# KiCad board delta48m.kicad_pcb (continued)
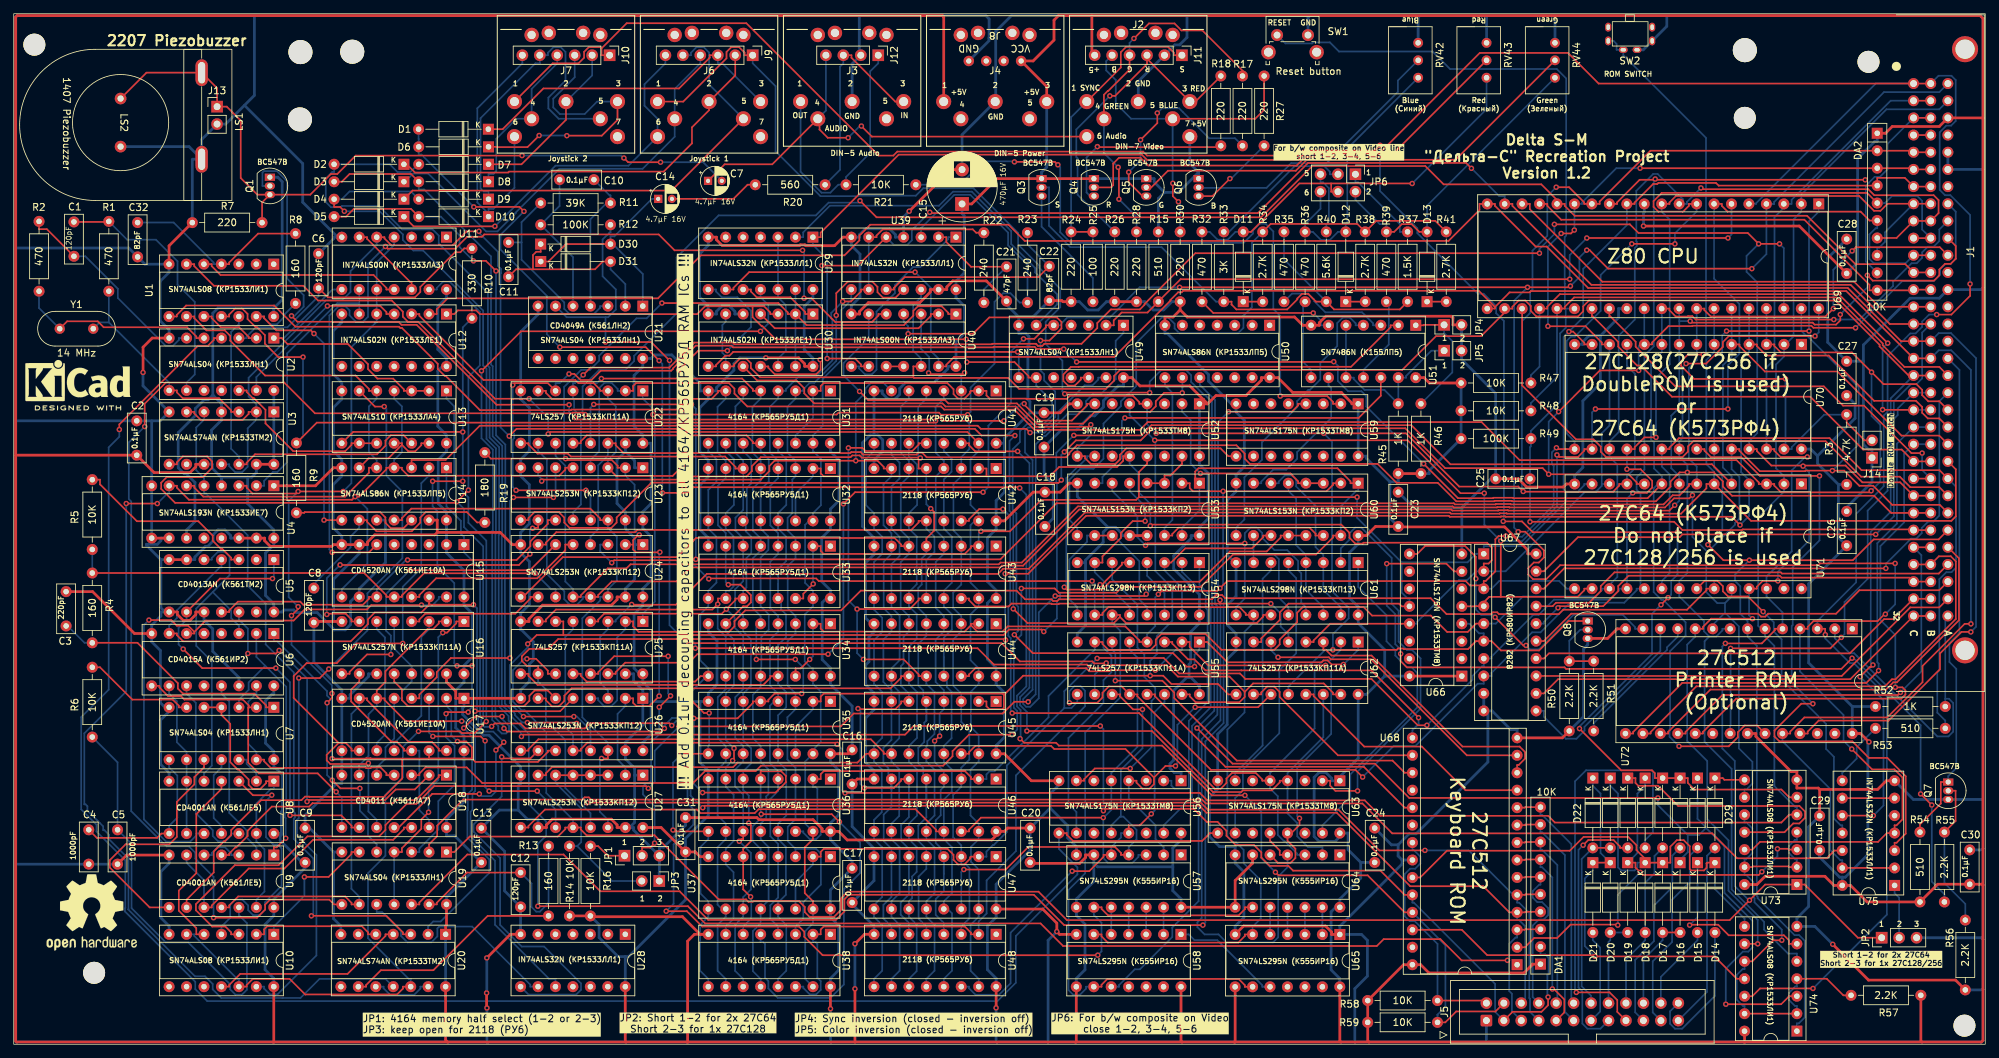
[diagram p0: board, top side]
## Footprints (pads in the part's own frame, mm; a bottom-side part is the same pattern mirrored in y, then rotated) (continued)
SW_Tactile_SPST_Angled_PTS645Vx83-2LFS
  round 2.1 hole 1.3: (-1.25,-2.49) (5.76,-2.49)
  round 1.75 hole 0.99: 1(0,0) 2(4.5,0)
TO-92_Inline
  rect 1.05x1.5 hole 0.75: 1(0,0)
  oval 1.05x1.5 hole 0.75: 2(1.27,0) 3(2.54,0)
USB-C Power board
  round 1.524 hole 0.762: 1(-3.837,-0.075) 2(-1.298,-0.075) 3(1.242,-0.075) 4(3.783,-0.075)
ZM-Piezo Buzzer-2207T2
  oval 3.9x1.8 hole 3.1x1: 1(18.6,-2.6) 2(6,-2.6)

## Nets
+5V: C2.1 C9.1 C13.1 C15.1 C16.1 C17.1 C18.1 C19.1 C20.1 C23.1 C24.1 C26.1 C27.1 C28.1 C29.1 C30.1 C31.1 DA1.1 DA2.1 J1.35 J2.7 J4.1 J4.3 J8.1 J11.6 Q1.1 Q3.1 Q4.1 Q5.1 Q6.1 R3.1 R14.1 R15.2 R16.1 R45.2 R46.2 R47.1 R48.1 R49.1 R52.1 R54.1 R57.1 R58.1 R59.1 U1.14 U2.14 U3.1 U3.4 U3.10 U3.13 U3.14 U4.4 U4.11 U4.16 U5.14 U6.16 U7.14 U8.14 U9.14 U10.14 U11.14 U12.14 U13.14 U14.10 U14.14 U15.2 U15.10 U15.16 U16.16 U17.16 U18.14 U19.14 U20.1 U20.14 U21.14 U22.16 U23.16 U24.16 U25.16 U26.16 U27.16 U28.14 U29.14 U30.14 U31.8 U32.8 U33.8 U34.8 U35.8 U36.8 U37.8 U38.8 U39.14 U40.14 U41.8 U42.8 U43.8 U44.8 U45.8 U46.8 U47.8 U48.8 U49.14 U50.14 U51.14 U52.1 U52.16 U53.16 U54.16 U55.16 U56.1 U56.16 U57.6 U57.8 U57.14 U58.8 U58.14 U59.1 U59.16 U60.16 U61.16 U62.16 U63.1 U63.16 U64.6 U64.8 U64.14 U65.8 U65.14 U66.1 U66.16 U67.20 U68.28 U69.11 U70.28 U71.28 U72.28 U73.14 U74.14 U75.14
GND: C2.2 C3.1 C4.1 C5.1 C6.1 C8.1 C9.2 C12.2 C13.2 C15.2 C16.2 C17.2 C18.2 C19.2 C20.2 C21.2 C22.2 C23.2 C24.2 C25.2 C26.2 C27.2 C28.2 C29.2 C30.2 C31.2 C32.1 J1.37 J1.38 J1.45 J2.2 J3.2 J4.2 J5.1 J8.4 J11.2 J12.2 J13.2 J14.1 JP1.3 JP2.3 JP3.1 JP4.2 JP5.2 LS1.2 LS2.2 Q7.3 Q8.3 R7.2 R24.2 R26.2 R28.2 R30.2 R50.1 R56.1 RV42.3 RV43.3 RV44.3 SW1.2 SW2.2 U1.7 U2.7 U3.7 U4.1 U4.8 U4.9 U4.10 U4.14 U4.15 U5.6 U5.7 U5.8 U5.10 U6.8 U6.14 U7.7 U8.7 U9.7 U10.7 U11.7 U12.7 U13.7 U14.7 U14.13 U15.7 U15.8 U16.8 U16.11 U16.15 U17.1 U17.8 U17.9 U18.7 U19.7 U20.7 U21.7 U22.8 U22.15 U23.1 U23.8 U23.15 U24.1 U24.8 U24.15 U25.8 U25.15 U26.1 U26.8 U26.15 U27.1 U27.8 U27.10 U27.15 U28.7 U29.7 U30.5 U30.7 U31.16 U32.16 U33.16 U34.16 U35.16 U36.16 U37.16 U38.16 U39.4 U39.7 U39.13 U40.7 U41.16 U42.16 U43.16 U44.16 U45.16 U46.16 U47.16 U48.16 U49.7 U50.7 U51.7 U52.8 U53.8 U53.12 U53.13 U54.8 U55.8 U56.8 U57.7 U58.7 U59.8 U60.8 U61.8 U62.8 U63.8 U64.7 U65.1 U65.7 U66.8 U67.9 U67.10 U68.14 U68.22 U69.29 U70.14 U71.14 U72.14 U72.22 U73.7 U74.7 U75.7
7MHZ: U3.2 U3.6 U3.11 U11.5 U54.11 U58.9 U61.11 U65.9
A0: J1.40 U12.3 U22.3 U23.3 U69.30 U70.10 U71.10
A1: J1.41 U22.6 U23.13 U69.31 U70.9 U71.9 U72.23
A2: J1.42 U22.10 U24.13 U69.32 U70.8 U71.8
A3: J1.43 U22.13 U24.3 U69.33 U70.7 U71.7
A4: J1.55 U25.3 U26.3 U69.34 U70.6 U71.6
A5: J1.54 U25.6 U26.13 U69.35 U70.5 U71.5
A6: J1.53 U25.10 U27.13 U69.36 U70.4 U71.4
A7: J1.52 U22.2 U23.4 U69.37 U70.3 U71.3
A8: J1.25 U22.5 U23.12 U69.38 U70.25 U71.25 U72.10 U74.9
A9: J1.58 U22.11 U24.12 U69.39 U70.24 U71.24 U72.9 U73.9
A10: J1.26 U22.14 U24.4 U69.40 U70.21 U71.21 U72.8 U74.5
A11: J1.59 U25.2 U26.4 U69.1 U70.23 U71.23 U72.7 U74.1
A12: J1.34 U25.5 U26.12 U69.2 U70.2 U71.2 U72.6 U73.5
A13: J1.2 JP2.1 U19.1 U25.11 U27.12 U69.3 U70.26 U71.26 U72.5 U73.1
A14: J1.33 U25.14 U49.5 U69.4 U72.4 U73.12 U75.4
A15: J1.1 U29.1 U40.9 U69.5 U72.3 U74.12 U75.5
A19_SNP: J1.51 U67.18
A28_SNP: J1.60 U72.17
A29_SNP: J1.61 U67.17
A30_SNP: J1.62 U67.15
A31_SNP: J1.63 U67.13
ADR0: U23.7 U41.5 U42.5 U43.5 U44.5 U45.5 U46.5 U47.5 U48.5
ADR1: U23.9 U41.7 U42.7 U43.7 U44.7 U45.7 U46.7 U47.7 U48.7
ADR2: U24.9 U41.6 U42.6 U43.6 U44.6 U45.6 U46.6 U47.6 U48.6
ADR3: U24.7 U41.12 U42.12 U43.12 U44.12 U45.12 U46.12 U47.12 U48.12
ADR4: U26.7 U41.11 U42.11 U43.11 U44.11 U45.11 U46.11 U47.11 U48.11
ADR5: U26.9 U41.10 U42.10 U43.10 U44.10 U45.10 U46.10 U47.10 U48.10
ADR6: U27.9 U41.13 U42.13 U43.13 U44.13 U45.13 U46.13 U47.13 U48.13
ADR7: U27.7 U41.9 U42.9 U43.9 U44.9 U45.9 U46.9 U47.9 U48.9
AUDIO: C7.1 J2.6 J3.4 J12.4
B19_SNP: J1.19 U67.19
B21_SNP: J1.21 U72.15
B22_SNP: J1.22 U72.19
B28_SNP: J1.28 U72.18
B29_SNP: J1.29 U72.16
B30_SNP: J1.30 U67.16
B31_SNP: J1.31 U67.14
B32_SNP: J1.32 U67.12
BA0: U4.7 U13.4 U14.4 U15.9 U20.11 U23.5
BA1: U5.11 U15.11 U23.11
BA2: R4.1 R5.1 U15.12 U24.11
BA3: U15.13 U24.5
BA4: U5.4 U6.7 U15.14 U26.5
BA5: U6.1 U9.9 U17.2 U17.14 U26.11
BA6: U17.3 U27.11
BA7: U17.4 U23.6
BA8: U16.7 U23.10
BA9: U16.4 U24.10
BA10: U16.9 U24.6
BA11: U16.12 U26.6
BA12: U26.10 U28.8
BCASL: U1.6 U41.15 U42.15 U43.15 U44.15 U45.15 U46.15 U47.15 U48.15
BD0: U41.14 U62.14 U63.4 U64.2
BD1: U42.14 U62.2 U63.5 U64.3
BD2: U43.14 U62.5 U63.12 U64.4
BD3: U44.14 U55.2 U63.13 U64.5
BD4: U45.14 U56.4 U57.2 U62.11
BD5: U46.14 U55.5 U56.5 U57.3
BD6: U47.14 U55.11 U56.12 U57.4
BD7: U48.14 U55.14 U56.13 U57.5
BLUE: J2.4 J11.4 R17.2 R28.1
BMX: U14.11 U23.14 U24.14 U26.14 U27.14
BRASL: R9.1 U1.11 U41.4 U42.4 U43.4 U44.4 U45.4 U46.4 U47.4 U48.4
BUSY: J1.64 R52.2 U72.2
BWEL: U40.3 U41.3 U42.3 U43.3 U44.3 U45.3 U46.3 U47.3 U48.3
CASL: U31.15 U32.15 U33.15 U34.15 U35.15 U36.15 U37.15 U38.15 U39.8
CCML: U14.2 U17.10 U18.10
CHTRGL: U29.8 U55.15 U62.15
Contact1: D19.1 D28.1 J6.1 J9.1 U74.3
Contact2: D26.1 D27.1 J7.1 J10.1 U73.6
CT4: U16.10 U17.13 U18.13
CT9: U16.2 U17.6 U18.6 U28.10
D0: DA2.2 J1.5 Q8.1 U31.2 U31.14 U41.2 U52.4 U62.12 U66.4 U67.6 U69.14 U70.11 U71.11
D1: DA2.3 J1.6 U32.2 U32.14 U42.2 U52.12 U62.4 U66.13 U67.2 U69.15 U70.12 U71.12
D2: DA2.4 J1.7 U33.2 U33.14 U43.2 U52.13 U62.7 U66.12 U67.1 U69.12 U70.13 U71.13
D3: DA2.5 J1.10 U34.2 U34.14 U44.2 U55.4 U59.4 U67.3 U69.8 U70.15 U71.15
D4: DA2.6 J1.11 U35.2 U35.14 U45.2 U52.5 U62.9 U66.5 U67.4 U69.7 U70.16 U71.16
D5: DA2.7 J1.9 U36.2 U36.14 U46.2 U55.7 U67.5 U69.9 U70.17 U71.17
D6: DA2.8 J1.8 U37.2 U37.14 U47.2 U55.9 U67.7 U69.10 U70.18 U71.18
D7: DA2.9 J1.3 U38.2 U38.14 U48.2 U55.12 U67.8 U69.13 U70.19 U71.19
Down1: D3.1 J6.4 J9.4
Down2: D8.1 J7.4 J10.4
Extra_A14: J14.2 R3.2 SW2.1 U70.27
Fire1: D5.1 J6.6 J9.6
Fire2: D10.1 J7.6 J10.6
GREEN: J2.5 J11.5 R27.2 R30.1
JOY3: D2.2 D7.2 DA1.2 J5.3 U68.24
JOY4: D1.2 D6.2 J5.4 R59.2 U68.25
JOY5: D3.2 D8.2 DA1.3 J5.5 U68.3
JOY6: D4.2 D9.2 DA1.4 J5.6 U68.4
JOY7: D5.2 D10.2 DA1.5 J5.7 U68.5
KB0: U62.13 U68.11
KB1: U62.3 U68.12
KB2: U62.6 U68.13
KB3: U55.3 U68.15
KB4: U62.10 U68.16
KB5: U55.6 U68.17
KB7: U55.13 U68.19
KBD2: J5.2 R58.2 U68.21
KBD8: DA1.6 J5.8 U68.6
KBD9: DA1.7 J5.9 U68.7
KBD10: DA1.8 J5.10 U68.8
KBD11: DA1.9 J5.11 U68.9
KBD12: DA1.10 J5.12 U68.10
KBD13: D14.2 J5.13
KBD14: D22.2 D23.2 J5.14
KBD15: D24.2 J5.15
KBD16: D15.2 D16.2 J5.16
KBD17: D25.2 J5.17
KBD18: D17.2 D26.2 J5.18
KBD19: D27.2 J5.19
KBD20: D18.2 D19.2 J5.20
KBD21: D28.2 J5.21
KBD22: D20.2 J5.22
KBD23: D29.2 J5.23
KBD24: D21.2 J5.24
KGIL: U9.4 U18.1
KKADRAN: U9.11 U17.7 U17.15 U19.9
KRAIN: U19.12 U53.2 U60.2
KSGIN: U18.3 U53.1 U53.15 U60.1 U60.15
Left1: D2.1 J6.2 J9.2
Left2: D7.1 J7.2 J10.2
M1L: J1.23 U69.27
MAG: R12.2 U21.6 U55.10
MAG_IN: J3.3 J12.3 R20.1
MAG_OUT: J3.1 J12.1 R21.2
MUX1_Y1: U22.4 U31.5 U32.5 U33.5 U34.5 U35.5 U36.5 U37.5 U38.5
MUX1_Y2: U22.7 U31.7 U32.7 U33.7 U34.7 U35.7 U36.7 U37.7 U38.7
MUX1_Y3: U22.9 U31.6 U32.6 U33.6 U34.6 U35.6 U36.6 U37.6 U38.6
MUX1_Y4: U22.12 U31.12 U32.12 U33.12 U34.12 U35.12 U36.12 U37.12 U38.12
MUX2_Y1: U25.4 U31.11 U32.11 U33.11 U34.11 U35.11 U36.11 U37.11 U38.11
MUX2_Y2: U25.7 U31.10 U32.10 U33.10 U34.10 U35.10 U36.10 U37.10 U38.10
MUX2_Y3: U25.9 U31.13 U32.13 U33.13 U34.13 U35.13 U36.13 U37.13 U38.13
MUX2_Y4: U25.12 U31.9 U32.9 U33.9 U34.9 U35.9 U36.9 U37.9 U38.9
MUX_S: R23.2 U22.1 U25.1 U39.3
OE0L: U70.22 U75.3
OE1L: U71.22 U75.11
OZUMPN: R19.1 U23.2 U24.2 U26.2 U27.2 U29.13 U30.2 U30.13 U40.1
RA8: D17.1 D18.1 D21.1 D23.1 U68.23 U74.8
RA9: D29.1 U73.8
RA10: D20.1 U74.6
RA13: D16.1 D25.1 U68.2 U73.3
RA14: D24.1 U73.11
RA15: D14.1 D15.1 D22.1 U68.26 U74.11
RASL: R22.2 U31.4 U32.4 U33.4 U34.4 U35.4 U36.4 U37.4 U38.4 U39.6 U39.9
RED: J2.3 J11.3 R18.2 R26.1
Right1: D1.1 J6.3 J9.3
Right2: D6.1 J7.3 J10.3
STROBL: J1.49 Q7.1 R54.2
SYNC/VID: J2.1 J11.1 R24.1 R25.2
SYNCRO: Q3.2 R33.2 R35.2 R37.1 R40.1
TAIMS: U14.1 U15.1 U18.11
Up1: D4.1 J6.5 J9.5
Up2: D9.1 J7.5 J10.5
UPRMX: U16.1 U19.4 U19.11
UZVUK: Q1.2 U52.7
VIBOZUL: U12.1 U30.3 U49.9 U55.1 U62.1
VOZUL: U20.2 U29.11
WEL: U31.3 U32.3 U33.3 U34.3 U35.3 U36.3 U37.3 U38.3 U39.11
YB: D13.2 JP6.2 R39.2 RV44.1
YG: D12.2 JP6.6 R36.2 RV42.1
YR: D11.2 JP6.4 R32.2 RV43.1
ZPRG+: U30.10 U52.9 U59.9
ZPRGAT+: U2.4 U56.9 U63.9
ZPRGBD: U3.8 U11.13 U57.9 U64.9
ZPVDN: U1.8 U54.10 U58.6 U61.10 U65.6
ВУL: J1.16 U12.2 U69.20 U72.25
ЗАПРШL: J1.50 R48.2 U69.25
ЗПL: J1.18 U30.6 U30.9 U39.12 U40.12 U69.22 U72.21
НПРL: DA2.10 J1.13 U69.17
ОЖИДL: J1.20 R47.2 U69.24
ОЗУL: J1.15 U30.11 U39.5 U69.19 U75.10
ПЗШL: J1.57 U69.23
ПРL: J1.12 U19.8 U69.16
РГНL: J1.24 U69.28
СБРОСL: C25.1 J1.27 R49.2 SW1.1 U69.26
СТОПL: J1.14 U69.18
ТАКТ: R15.1 U49.2 U69.6
ЧТL: J1.17 U29.9 U40.13 U69.21 U72.24 U75.2 U75.13
ЧТПЗУL: J1.56 R53.2 U70.20 U71.20
Net-(C1-Pad1): C1.1 R2.2 U2.6
Net-(C1-Pad2): C1.2 R1.1 U2.9
Net-(C3-Pad2): C3.2 R4.2 U7.1
Net-(C4-Pad2): C4.2 U7.8 U8.8
Net-(C5-Pad2): C5.2 R6.1 U9.12
Net-(C6-Pad2): C6.2 R10.2 U2.3
Net-(C8-Pad2): C8.2 R19.2 U14.9
Net-(C10-Pad1): C10.1 R11.2 U21.4
Net-(C10-Pad2): C10.2 R12.1 U21.5
Net-(C11-Pad2): C11.2 R11.1 U21.3
Net-(C12-Pad1): C12.1 R13.1 U19.13
Net-(C14-Pad2): C14.2 R20.2
Net-(C21-Pad1): C21.1 R22.1 U39.2
Net-(C22-Pad1): C22.1 R23.1 U39.10
Net-(C32-Pad2): C32.2 R8.2 U1.4
Net-(D11-K): D11.1 R34.2
Net-(D12-K): D12.1 R38.2
Net-(D13-K): D13.1 R41.2
Net-(D30-A): C14.1 D30.2 D31.1 U21.1
Net-(D30-K): C11.1 D30.1 D31.2 U21.2
Net-(J13-Pin_1): C7.2 J13.1 LS1.1 LS2.1 Q1.3 R7.1
Net-(JP1-A): JP1.1 R16.2
Net-(JP1-C): JP1.2 U25.13
Net-(JP2-C): JP2.2 U75.1
Net-(JP3-B): JP3.2 R14.2 U27.3 U27.4 U27.5 U27.6
Net-(JP4-A): JP4.1 R46.1 U51.1
Net-(JP5-A): JP5.1 R45.1 U51.5 U51.10 U51.13
Net-(JP6-Pin_1): JP6.1 R37.2
Net-(JP6-Pin_3): JP6.3 R33.1
Net-(JP6-Pin_5): JP6.5 R40.2
Net-(Q3-E): Q3.3 R25.1
Net-(Q4-B): Q4.2 RV43.2
Net-(Q4-E): Q4.3 R18.1
Net-(Q5-B): Q5.2 RV44.2
Net-(Q5-E): Q5.3 R17.1
Net-(Q6-B): Q6.2 RV42.2
Net-(Q6-E): Q6.3 R27.1
Net-(Q7-B): Q7.2 R55.1 R56.2
Net-(Q8-B): Q8.2 R50.2 R51.1
Net-(R2-Pad1): R2.1 U2.5 Y1.1
Net-(R6-Pad2): R6.2 U7.6
Net-(R8-Pad1): R8.1 U1.13 U14.8
Net-(R9-Pad2): R9.2 U14.12
Net-(R10-Pad1): R10.1 U13.8 U19.3
Net-(R32-Pad1): R32.1 U51.6
Net-(R35-Pad1): R35.1 U51.3
Net-(R36-Pad1): R36.1 U51.8
Net-(R39-Pad1): R39.1 U51.11
Net-(R53-Pad1): R53.1 U75.8
Net-(R57-Pad2): R57.2 U73.2 U73.4 U73.10 U73.13 U74.2 U74.4 U74.10 U74.13
Net-(U1-Pad5): U1.5 U11.11
Net-(U1-Pad10): U1.10 U2.2
Net-(U3A-C): R1.2 U2.8 U3.3 Y1.2
Net-(U3B-D): U1.12 U3.12 U13.12
Net-(U4-QA): U4.3 U11.4 U11.10 U12.5 U19.5
Net-(U4-QB): U4.2 U11.9 U12.6
Net-(U4-QC): U1.9 U4.6 U13.5 U14.5
Net-(U5-C1): R5.2 U5.3
Net-(U5-D1): U5.5 U6.3 U8.5
Net-(U5-D2): U5.1 U5.9 U18.9
Net-(U5-Q2o): U5.12 U18.2
Net-(U6A-CP): U6.9 U7.2 U18.8
Net-(U6A-Q4): U6.10 U7.9 U8.6 U8.9
Net-(U6B-D): U6.15 U7.13 U18.4
Net-(U6B-Q1): U6.13 U9.2
Net-(U6B-Q3): U6.11 U8.12
Net-(U6B-Q4): U6.2 U7.3 U9.1
Net-(U7-Pad4): U7.4 U7.5 U8.1 U8.13 U9.13
Net-(U7-Pad10): U7.10 U9.8
Net-(U7-Pad11): U7.11 U8.11
Net-(U7-Pad12): U7.12 U8.2
Net-(U9-Pad3): U9.3 U9.5
Net-(U10-Pad1): U10.1 U19.6
Net-(U10-Pad3): U10.3 U49.1
Net-(U10-Pad4): U8.3 U10.4
Net-(U10-Pad5): U8.4 U10.5
Net-(U10-Pad13): U10.13 U13.6
Net-(U11-Pad8): U2.1 U11.8 U13.2 U13.3
Net-(U11-Pad12): U11.6 U11.12
Net-(U12-Pad4): U2.13 U12.4
Net-(U13-Pad10): U2.12 U13.9 U13.10
Net-(U13-Pad11): U13.11 U13.13 U14.6
Net-(U14-Pad3): U14.3 U49.13
Net-(U15A-Q4): U15.6 U40.5
Net-(U15B-Reset): U6.6 U8.10 U15.15
Net-(U16-I0b): U16.5 U16.13 U17.5 U18.5
Net-(U16-I1a): U16.3 U17.12
Net-(U16-I1b): U16.6 U17.11
Net-(U18-Pad12): U9.6 U9.10 U18.12
Net-(U19-Pad2): U19.2 U75.12
Net-(U19-Pad10): U19.10 U28.9
Net-(U20A-C): U3.5 U4.5 U20.3
Net-(U20A-Q): U10.2 U20.5
Net-(U20A-~{S}): U10.11 U20.4
Net-(U20B-D): U10.6 U10.12 U13.1 U20.12
Net-(U20B-Q): R13.2 U20.9
Net-(U20B-~{R}): U20.10 U20.13
Net-(U29-Pad2): U29.2 U49.6
Net-(U29-Pad10): U29.10 U30.1
Net-(U29-Pad12): U29.3 U29.12 U30.12
Net-(U30-Pad4): U30.4 U40.2
Net-(U30-Pad8): U30.8 U49.8
Net-(U39-Pad1): U39.1 U40.8
Net-(U40-Pad6): U40.6 U50.9
Net-(U40-Pad10): U40.10 U40.11
Net-(U49-Pad12): U49.12 U51.2
Net-(U52-Q0): U52.2 U60.3 U60.4
Net-(U52-Q2): U52.10 U60.12 U60.13
Net-(U52-Q3): U52.15 U53.3 U53.4
Net-(U53-I0a): U53.6 U61.9 U61.13
Net-(U53-I0b): U53.10 U53.11 U54.9 U54.13
Net-(U53-I1a): U53.5 U54.7 U54.12
Net-(U53-S0): U50.8 U53.14 U60.14
Net-(U53-Za): U51.12 U53.7
Net-(U53-Zb): R34.1 R38.1 R41.1 U53.9
Net-(U54-I0a): U54.3 U54.15 U60.11
Net-(U54-I0b): U40.4 U54.4 U54.14
Net-(U54-I1a): U54.2 U56.2
Net-(U54-I1b): U54.1 U56.15
Net-(U54-I1c): U54.5 U56.10
Net-(U54-I1d): U54.6 U56.7
Net-(U57-Q0): U57.13 U58.2
Net-(U57-Q1): U57.12 U58.3
Net-(U57-Q2): U57.11 U58.4
Net-(U57-Q3): U57.10 U58.5
Net-(U58-Ds): U58.1 U65.10
Net-(U58-Q3): U50.10 U58.10
Net-(U59-Q0): R21.1 U59.2
Net-(U60-I0a): U60.6 U61.3 U61.15
Net-(U60-I0b): U60.10 U61.7 U61.12
Net-(U60-I1a): U60.5 U61.4 U61.14
Net-(U60-Za): U51.9 U60.7
Net-(U60-Zb): U51.4 U60.9
Net-(U61-I1a): U61.2 U63.2
Net-(U61-I1b): U61.1 U63.15
Net-(U61-I1c): U61.5 U63.10
Net-(U61-I1d): U61.6 U63.7
Net-(U64-Q0): U64.13 U65.2
Net-(U64-Q1): U64.12 U65.3
Net-(U64-Q2): U64.11 U65.4
Net-(U64-Q3): U64.10 U65.5
Net-(U66-Cp): U66.9 U72.13
Net-(U66-Q1): R55.2 U66.7
Net-(U67-STB): U67.11 U72.12
Net-(U72-D0): R51.2 U72.11
Net-(U75-Pad6): U75.6 U75.9

Pads without a net: J1 4 36 39 44 46 47 48; J3 5; J4 4 5; J6 7; J7 7; J8 2 3; U1 1 2 3; U2 10 11; U3 9; U4 12 13; U5 2 13; U6 4 5 12; U10 8 9 10; U11 1 2 3; U12 8 9 10 11 12 13; U15 3 4 5; U16 14; U20 6 8; U21 8 9 10 11 12 13; U28 1 2 3 4 5 6 11 12 13; U29 4 5 6; U31 1; U32 1; U33 1; U34 1; U35 1; U36 1; U37 1; U38 1; U41 1; U42 1; U43 1; U44 1; U45 1; U46 1; U47 1; U48 1; U49 3 4 10 11; U50 1 2 3 4 5 6 11 12 13; U52 3 6 11 14; U56 3 6 11 14; U57 1; U58 11 12 13; U59 3 5 6 7 10 11 12 13 14 15; U63 3 6 11 14; U64 1; U65 11 12 13; U66 2 3 6 10 11 14 15; U68 1 18 20 27; U70 1; U71 1 27; U72 1 20 26 27

## Via types
v1: diameter 0.8, hole 0.4, Top to Bottom, 448 vias

## Routing (per net, layer and track width the routed paths; a pad name or vN(x,y) marks a point on that pad's centre or on a via; arc(x,y) is an arc through that point)
+5V: length 2418
  Top w0.4: U59.1 194.81,93.22 194.81,93.33 193.26,94.88 186.18,94.88 184.02,97.03 U50.14 181.62,97.03 181.62,96.66 179.38,94.42 175.01,94.42 173.8,93.22 ; 286.67,134.82 286.67,23.13 ; 286.67,134.82 286.67,149.32 286.26,149.73 156.95,149.73 ; 286.67,134.82 286.64,134.84 J1.35 280.31,133.59 273.46,133.59 272.47,132.6 DA2.1 ; 286.67,23.13 286.51,23.29 C30.1 280.08,23.29 R54.1 269.79,20.71 267.38,23.12 U75.14 264.98,23.12 263.65,24.45 254.96,24.45 253.76,23.25 U73.14 ; 286.67,23.13 286.67,0.55 286.44,0.32 277.78,0.32 ; U58.14 169.92,0.48 170.08,0.32 ; 277.78,0.32 251.94,0.32 ; 277.78,0.32 277.62,0.48 R57.1 ; 251.94,0.32 251.96,0.34 U74.14 ; 251.94,0.32 197.28,0.32 ; R47.1 206.08,96.25 205.3,97.03 U51.14 ; 177.73,0.32 177.8,0.4 U65.8 ; 177.73,0.32 193.19,0.32 ; 177.73,0.32 170.08,0.32 ; v1(270.07,44) 268.84,45.23 U72.28 ; 98.07,0.32 98.1,0.35 98.1,15.01 99.1,16 U38.8 99.91,16 97.34,18.57 84.06,18.57 R16.1 R14.1 ; 98.07,0.32 122.46,0.32 ; 98.07,0.32 89.11,0.32 ; 193.19,0.32 197.28,0.32 ; 193.19,0.32 193.04,0.48 U65.14 ; U58.8 154.68,0.42 154.59,0.32 ; 170.08,0.32 154.59,0.32 ; 0.28,85.69 0.33,85.74 C2.1 20.43,83.21 25.67,83.21 26.5,84.05 26.5,84.42 U3.10 ; 0.28,85.69 0.28,0.45 0.41,0.32 37.82,0.32 ; 0.28,85.69 0.28,149.52 0.48,149.73 135.18,149.73 135.38,149.52 135.38,149.52 J4.1 ; 197.28,0.32 197.1,0.5 R59.1 R58.1 202.32,11.58 U68.28 204.81,11.58 206.01,10.38 219.84,10.38 221.05,11.58 221.05,11.66 DA1.1 ; U64.6 180.34,26.36 177.81,23.82 U64.8 U57.14 ; U20.1 62.87,17.21 63,17.34 U19.14 ; 122.46,0.32 154.59,0.32 ; 122.46,0.32 v1(122.46,8.07) ; 37.82,0.32 37.86,0.36 U10.14 ; 37.82,0.32 63.17,0.32 ; U52.1 173.8,93.22 ; 173.8,93.22 171.2,95.83 163.95,95.83 162.75,97.03 U49.14 ; v1(109.49,99.91) 114.27,99.91 115.14,99.05 115.14,98.67 U30.14 ; U37.8 99.91,27.3 99.22,27.99 C31.1 94.24,31.55 U27.16 ; v1(122.46,14.62) 123.84,16 U48.8 ; U67.20 220.41,71.39 220.41,71.92 217.03,75.31 201.61,75.31 C23.1 198.24,75.36 196.92,74.04 U60.16 ; 156.95,149.73 156.95,144.37 J11.6 ; 156.95,149.73 152.1,149.73 151.44,149.07 151.44,146.17 148.39,143.12 J8.1 150.38,139.4 J4.3 ; U46.8 122.79,38.6 C16.1 ; C28.1 259.92,119.1 v1(237.25,119.1) ; 89.11,0.32 63.17,0.32 ; 89.11,0.32 89.02,0.41 U28.14 ; 63.17,0.32 62.87,0.63 U20.14 ; C20.1 148.1,26.33 155.17,26.33 156.03,27.19 156.03,27.56 U57.6 ; R45.2 R46.2 ; U66.16 U66.1 ; Q4.1 Q3.1 143.13,126 139.45,122.31 C15.1 ; U3.14 U3.13
  Bottom w0.4: U75.14 266.18,24.32 ; 266.18,24.32 266.62,24.32 269.91,27.61 269.91,43.83 v1(270.07,44) ; 266.18,24.32 265.81,24.32 262.89,27.24 C29.1 ; U31.8 101.11,93.9 99.87,92.67 99.87,86.24 101.11,85.01 U32.8 101.11,82.6 99.91,81.4 99.91,74.91 101.11,73.71 U33.8 ; U31.8 99.91,95.1 99.91,96.22 95.79,100.34 93.29,100.34 92.77,99.83 U21.14 91.57,98.62 90.31,97.36 90.31,89.96 91.58,88.69 U22.16 92.78,87.48 92.78,78.7 91.58,77.5 U23.16 91.58,75.09 92.78,73.89 92.78,67.51 91.58,66.31 U24.16 91.58,63.91 90.31,62.64 90.31,54.73 91.58,53.46 ; U31.8 102.31,95.1 102.31,95.6 104.84,98.13 104.84,99.07 105.68,99.91 v1(109.49,99.91) ; U20.14 U20.1 ; U42.8 125.23,85.01 126.5,86.28 126.5,87.97 125.79,88.69 125.23,88.69 ; U4.4 30.24,82.49 ; U11.14 63,108.66 61.73,107.39 61.73,101.14 63,99.87 63,99.27 ; 30.24,82.49 28.9,83.83 28.9,84.42 28.8,84.42 ; 30.24,82.49 30.3,82.55 34.05,82.55 ; 125.23,88.69 124.68,88.69 123.55,87.56 123.55,75.38 125.23,73.71 U43.8 125.23,71.3 124.01,70.08 124.01,62.04 125.23,60.82 ; 125.23,88.69 U41.8 126.43,95.1 126.43,94.74 127.27,93.9 128.27,93.9 128.97,94.61 128.97,95.48 129.8,96.31 133.97,96.31 135.96,98.3 135.96,98.67 U40.14 137.16,102.27 138.4,103.51 138.4,107.42 137.16,108.66 U39.14 137.16,111.06 138.37,112.26 138.37,120.59 138.05,120.91 C15.1 ; C27.1 268.05,93.19 268.05,91.11 262.58,85.64 ; 63,99.27 61.73,98 61.73,89.96 63,88.69 U13.14 63,86.28 61.78,85.07 61.78,78.71 62.99,77.5 U14.14 62.99,75.09 63,75.08 U15.2 63,71.53 65.54,68.99 U15.16 65.54,63.91 66.76,62.69 66.76,56.34 65.54,55.12 U16.16 65.54,52.72 64.34,51.51 64.34,46.07 65.54,44.86 65.54,43.94 U17.16 65.54,35.29 63,32.75 U18.14 63,30.34 64.2,30.34 C13.1 63.16,21.56 63,21.56 U19.14 ; 63,99.27 U12.14 ; U29.14 116.34,108.66 115.07,107.39 115.07,101.14 116.34,99.87 U30.14 ; 157.23,26.36 157.76,25.83 168.73,25.83 ; 157.23,26.36 157.23,23.68 154.69,21.14 U57.8 154.69,18.74 155.95,17.48 155.95,10.84 154.68,9.57 U58.8 ; 157.23,26.36 U57.6 ; Q3.1 149.63,126.92 150.38,127.67 J4.3 ; 167.51,123.99 166.02,125.49 166.02,126 Q5.1 Q4.1 ; 167.51,123.99 169.56,123.99 172.49,126.92 ; 167.51,123.99 166.62,123.11 R15.2 ; 171.09,53.4 171.09,55.3 171.33,55.54 171.33,60.02 172.6,61.29 U54.16 172.6,65.47 168.86,69.21 168.86,71.09 171.4,73.64 171.4,74.04 U53.16 172.6,75.25 173.87,76.52 173.87,83.13 172.6,84.4 U52.16 U52.1 ; 171.09,53.4 171.33,53.4 172.6,52.13 U55.16 ; 171.09,53.4 170.78,53.4 168.85,51.47 168.85,41.36 168.32,40.83 168.32,40.17 168.93,39.56 169.94,39.56 U56.1 ; 261.29,66.31 261.29,67.03 C26.1 265.62,73.78 265.62,81.48 ; 261.29,66.31 261.29,55.51 267.64,49.16 ; 261.29,66.31 U71.28 ; 99.91,49.9 U35.8 101.11,51.11 102.38,52.38 102.38,58.73 101.11,60 U34.8 ; 99.91,49.9 99.88,49.88 92.78,49.88 ; 99.91,49.9 99.91,41.01 101.11,39.81 U36.8 101.11,33.27 97.79,29.96 C31.1 97.79,21.04 89.51,12.76 89.02,12.76 ; 192.44,38.36 191.84,38.36 191.84,38.72 191,39.56 190.01,39.56 189.3,38.85 189.3,30.24 190.01,29.54 192.36,29.54 193.56,30.74 ; 192.44,38.36 U63.1 ; 192.44,38.36 195.72,41.63 U62.16 196.92,50.93 199.58,53.59 ; 172.49,126.92 171.2,128.21 171.2,132.11 ; 172.49,126.92 Q6.1 ; 199.58,53.59 199.58,57.43 195.72,61.29 U61.16 195.72,63.69 194.45,64.96 194.45,71.57 195.72,72.84 U60.16 ; 199.58,53.59 U66.16 ; 91.58,53.46 91.58,52.72 92.78,51.52 92.78,49.88 ; 91.58,53.46 U25.16 ; U3.10 28.8,84.42 ; 28.8,84.42 28.8,89.4 30.24,90.84 U3.4 30.24,93.24 28.98,94.5 ; 50.3,65.71 50.3,66.31 54.11,70.12 54.11,76.22 54.03,76.3 U14.10 ; 50.3,65.71 U15.10 ; 50.3,65.71 49.03,64.44 49.03,61.1 48.26,60.32 46.69,60.32 44.17,62.83 41.14,62.83 40.77,63.2 39.35,63.2 39.06,62.92 U5.14 37.86,64.12 36.65,65.33 36.65,71.51 37.61,72.47 37.86,72.47 U4.16 37.86,74.87 34.05,78.68 34.05,82.55 ; U3.13 35.32,83.22 34.66,82.55 34.05,82.55 ; U64.14 193.04,20.54 ; 193.04,20.54 193.04,21.14 196.09,24.19 196.09,26.47 ; 193.04,20.54 191.77,19.27 191.77,10.83 193.04,9.56 U65.14 ; 89.02,12.76 U28.14 ; 89.02,12.76 87.98,12.76 85.21,15.53 85.21,17.42 R16.1 ; 267.64,49.16 U72.28 ; 267.64,49.16 R52.1 ; U3.14 U3.1 U2.14 ; C16.1 122.05,31.69 125.23,28.51 U47.8 125.23,23.81 C17.1 122.05,20.39 125.23,17.21 U48.8 ; 92.78,49.88 92.78,45.14 91.58,43.94 U26.16 ; 262.58,85.64 261.6,86.63 U70.28 ; 262.58,85.64 262.58,84.51 265.62,81.48 ; U59.1 U59.16 196.92,85.6 196.92,85.28 200.32,81.87 ; U8.14 39.06,30.67 ; 37.85,107.13 37.85,105.93 ; 37.85,107.13 37.79,107.19 29.76,107.19 28.98,106.41 28.98,94.5 ; 37.85,107.13 39.08,108.37 39.08,125.56 38.44,126.21 Q1.1 ; U49.14 161.54,95.83 160.78,95.83 158.63,93.68 158.63,92.76 157.35,91.47 156.73,91.47 154.69,89.43 152.49,89.43 C19.1 149.99,82.86 151.32,81.53 151.32,76.57 C18.1 ; 28.98,94.5 28.3,93.82 27.72,93.82 26.43,92.52 26.43,91.51 23.95,89.03 23.95,83.91 24.82,83.04 25.12,83.04 26.38,81.79 26.38,76.09 25.16,74.87 U4.11 ; U6.16 37.86,50.97 37.61,50.97 36.66,50.02 36.66,43.82 37.86,42.62 U7.14 37.86,40.22 38.11,40.22 39.13,39.2 39.13,34 38.96,33.83 38.96,30.77 39.06,30.67 ; 39.06,30.67 39.06,30.6 38.79,30.32 38.79,29.66 41.98,26.47 C9.1 42.42,25.68 37.86,21.12 U9.14 37.86,18.72 36.59,17.44 36.59,10.86 37.86,9.59 U10.14 ; C24.1 196.09,26.47 ; 196.09,26.47 194.25,28.31 194.25,30.74 193.56,30.74 ; 125.23,60.82 125.23,60 124.49,59.26 124.49,55.69 124.02,55.22 124.02,52.31 125.23,51.11 U45.8 125.23,48.7 124.02,47.49 124.02,41.02 125.23,39.81 U46.8 ; 125.23,60.82 U44.8 ; 265.62,81.48 R3.1 ; 193.56,30.74 U63.16 ; 200.32,81.87 201.55,81.87 R45.2 ; 200.32,81.87 200.32,76.59 C23.1 ; U69.11 237.36,121.12 237.25,121 v1(237.25,119.1) ; v1(122.46,14.62) v1(122.46,8.07) ; 168.73,25.83 168.73,22.35 169.93,21.14 U57.14 ; 168.73,25.83 168.73,28.55 169.71,29.54 169.94,29.54 U56.16 ; R46.2 206.05,83.07 206.05,83.51 R49.1 R48.1 R47.1 ; C28.1 268.42,113.79 268.42,128.93 270.9,131.4 271.27,131.4 DA2.1
GND: length 2741.8
  Top w0.4: C29.2 262.89,37.09 ; 262.89,37.09 271.33,37.09 272.6,38.36 U75.7 ; 262.89,37.09 262.69,37.29 259.58,37.29 U73.7 259.58,39.69 258.73,39.69 253.6,44.82 253.6,45.23 U72.22 ; C31.2 108.18,32.99 108.48,32.69 116.36,32.69 117.69,31.36 117.69,30.98 U36.16 120.09,30.98 121.34,29.74 142.37,29.74 143.61,30.98 ; U65.1 191.84,15.98 191.84,16.34 190.97,17.21 179.03,17.21 U65.7 ; C8.1 43.83,61.54 U16.8 ; U16.15 63,52.72 64.34,51.38 64.34,50.35 U17.1 U26.8 ; v1(18.82,97.78) 18.82,101.47 20.15,102.79 U2.7 ; U29.7 102.3,117.48 102.3,117.1 103.16,116.24 114.38,116.24 114.5,116.37 115.17,116.37 115.29,116.24 119.49,116.24 120.72,117.48 U39.7 ; 169.8,106.89 170.83,105.85 186.45,105.85 187.65,104.65 U51.7 190.06,104.65 190.06,105.02 191,105.97 209.27,105.97 209.51,105.73 209.51,104.71 JP4.2 ; 169.8,106.89 R30.2 ; 169.8,106.89 168.76,105.85 167.58,105.85 U50.7 ; v1(68.89,5.28) 68.84,5.33 v1(68.84,7.46) ; U5.7 U5.6 ; U4.1 43.93,81.29 46.55,83.92 U14.7 ; U47.16 149.79,19.68 151.84,17.63 v1(151.84,16.4) 152.25,15.99 U58.7 ; U6.8 17.57,59.79 11.48,65.89 C3.1 ; v1(118.9,5.18) 118.89,5.19 U38.16 ; U68.14 225.44,44.6 R50.1 ; U27.15 87.84,31.55 87.84,31.92 86.99,32.76 78.38,32.76 77.54,31.92 77.54,31.55 U27.10 ; U24.8 72.6,72.73 70.83,74.5 61.65,74.5 ; U56.8 148.14,38.36 144.21,42.28 U45.16 ; U40.7 123.13,106.29 123.13,106.67 124.41,107.94 131.88,107.94 133.42,109.48 133.42,109.86 U39.13 135.83,109.86 135.83,110.23 136.71,111.11 141.58,111.11 C21.2 ; U53.13 U53.12 ; 61.65,74.5 61.65,76.3 U14.13 ; 61.65,74.5 61.3,74.15 52.55,74.15 51.5,73.1 51.5,72.73 U15.7 U15.8 46.56,72.73 46.3,72.47 37.35,72.47 36.52,73.3 36.52,73.67 U4.15 U4.14 ; C25.2 219.03,82.31 220.23,81.11 225.57,81.11 226.02,81.55 U71.14 ; v1(143,5.3) 143.01,5.31 U48.16 ; R7.2 22.61,116.22 U1.7 ; U72.14 233.42,60.47 232.02,59.07 Q8.3 ; U25.8 75,61.54 75,61.91 76.99,63.91 87.01,63.91 87.84,64.73 87.84,65.11 U24.15 ; C16.2 121.47,42.28 U35.16 ; U9.7 16.44,27.54 C5.1 ; R24.2 152.72,108.09 152.56,108.25 C22.2 ; C20.2 144.7,31.47 144.21,30.98 143.61,30.98 ; U46.16 143.61,30.98 ; U5.8 23.82,62.92 23.82,62.55 24.68,61.69 25.64,61.69 26.5,62.55 26.5,62.92 U5.10 ; U28.7 72.3,16 v1(68.86,12.57) ; v1(264.8,14.55) 270,9.34 282.67,9.34 R56.1 ; v1(130.35,121.25) 136.41,127.31 C15.2 ; U4.10 U4.9 ; U42.16 144.21,76.18 148.39,80.36 C18.2 152.32,80.36 153.62,81.66 U53.8 ; R26.2 R28.2 ; U52.8 153.62,93.22 152.32,91.92 C19.2
  Bottom w0.4: v1(264.8,14.55) 262.19,17.15 U74.7 259.58,18.35 261.28,20.06 261.28,31.64 C29.2 ; 94,28.07 JP1.3 94,25.04 93.97,25.01 JP3.1 ; 94,28.07 94,28.7 94.62,28.7 97.79,31.87 C31.2 ; 94,28.07 93.34,28.07 90.24,31.17 90.24,31.55 89.64,31.55 ; U9.7 22.62,26.34 21.42,25.14 21.42,18.4 22.62,17.21 U10.7 ; 118.89,65.48 118.89,66.09 117.62,67.36 117.62,73.71 118.89,74.98 U32.16 118.89,77.91 120.13,79.15 120.13,85.04 118.89,86.28 U31.16 ; 118.89,65.48 117.69,64.28 117.69,55.99 118.89,54.79 U34.16 118.89,52.38 122.05,49.22 C16.2 ; 118.89,65.48 U33.16 ; 68.96,0.32 68.89,0.4 v1(68.89,5.28) ; 68.96,0.32 0.41,0.32 0.28,0.45 0.28,26.16 ; 68.96,0.32 118.92,0.32 ; 240.64,149.73 286.26,149.73 286.67,149.32 286.67,127.35 ; 240.64,149.73 224.41,149.73 ; 240.64,149.73 240.64,148.18 SW2.2 237.21,144.75 SW2.2 ; U25.15 90.24,53.92 90.24,52.89 91.58,51.56 U26.1 91.58,46.48 89.04,43.94 U26.15 89.04,41.53 90.38,40.19 90.38,39.17 ; U28.7 73.78,19.99 C12.2 71.46,22.32 71.46,28.08 C13.2 70.69,34.09 73.44,34.09 ; 0.28,90.8 0.34,90.74 C2.2 21.32,90.74 U3.7 18.82,95.84 v1(18.82,97.78) ; 0.28,90.8 0.28,26.16 ; 0.28,90.8 0.28,116 ; 73.44,34.09 73.44,37.6 73.8,37.96 U27.8 73.8,40.37 69.18,44.98 68.37,44.98 67.08,46.28 67.08,46.28 65.35,48.01 65.35,48.96 65.54,49.15 U17.1 ; 73.44,34.09 74.78,32.75 76.34,32.75 U27.10 ; R28.2 164.65,108.09 165.85,106.89 167.4,106.89 168.6,108.09 R30.2 ; U24.15 89.04,66.31 90.38,67.65 90.38,72.73 ; 286.67,110.1 286.67,35.55 ; 286.67,110.1 286.67,127.35 ; 286.67,110.1 286.4,109.84 J1.45 280.31,108.59 276.06,108.59 269.26,101.79 269.26,99.41 ; 286.67,35.55 286.67,28.49 ; 286.67,35.55 286.59,35.63 Q7.3 276.53,35.63 U75.7 ; 224.41,149.73 224.36,149.68 RV44.3 ; 224.41,149.73 214.5,149.73 ; 286.67,127.35 286.66,127.34 J1.38 J1.37 ; 146.3,105.85 144.53,107.63 C21.2 ; 146.3,105.85 U49.7 146.3,103.45 146.62,103.45 146.66,103.49 147.32,103.49 147.79,103.02 147.79,101.79 147.63,101.63 147.63,93.84 147.93,93.54 147.93,91.92 ; 146.3,105.85 148.35,105.85 C22.2 ; 47.62,16 47.62,17.21 46.56,18.28 46.56,27.98 ; 202.11,26.82 201.53,27.4 201.53,29.03 ; 202.11,26.82 U68.22 ; 202.11,26.82 202.11,26.25 193.04,17.18 U65.1 196.21,15.98 197.05,15.13 197.05,9.93 195.23,8.1 195.23,0.32 ; 170.79,149.73 145.24,149.73 142.95,147.44 142.95,137.29 J4.2 138.05,132.39 C15.2 ; 170.79,149.73 170.79,146.55 169.7,145.46 169.01,145.46 J11.2 163.7,140.15 J2.2 ; 170.79,149.73 188.7,149.73 ; 35.03,149.73 0.48,149.73 0.28,149.52 0.28,116 ; 35.03,149.73 35.03,138.12 30.85,133.94 J13.2 27.36,131.7 LS1.2 ; 35.03,149.73 123.09,149.73 ; 214.28,0.32 286.44,0.32 286.67,0.55 286.67,8 ; 214.28,0.32 214.38,0.42 J5.1 ; 214.28,0.32 195.23,0.32 ; 123.09,149.73 141.51,149.73 141.99,149.25 141.99,146.45 141.96,146.43 141.96,146.06 J8.4 ; 123.09,149.73 123.09,144.18 J12.2 122.05,142.7 J3.2 ; U71.14 227.22,82.75 228.42,83.96 228.42,93.64 230.97,96.19 230.97,103.11 ; 89.04,86.28 87.82,85.06 87.82,78.72 89.04,77.5 U23.15 89.04,75.03 90.38,73.7 90.38,72.73 ; 89.04,86.28 U22.15 ; 89.04,86.28 90.38,84.94 90.38,83.92 U23.1 ; U56.8 152.16,37.76 150.9,36.5 150.9,34.36 ; 214.6,48.53 215.2,48.53 217.92,45.8 218.85,45.8 U68.14 ; 214.6,48.53 U67.10 U67.9 ; 214.6,48.53 214.6,41.09 204.14,30.63 203.13,30.63 201.53,29.03 ; 47.16,117.48 46.56,117.48 46.56,117.25 C6.1 ; 47.16,117.48 42.06,122.57 42.06,128.19 33.58,136.68 ; 47.16,117.48 47.76,117.48 ; 201.53,29.03 200.56,29.03 C24.2 ; 90.38,39.17 90.38,32.28 89.64,31.55 ; 90.38,39.17 U27.1 ; 210.8,78.08 203.83,78.08 C23.2 ; 210.8,78.08 215.03,82.31 C25.2 215.73,94.74 210.77,99.7 JP5.2 210.77,103.46 210.76,103.46 JP4.2 ; 210.8,78.08 U66.8 ; 177.94,92.62 177.83,92.62 173.93,96.52 173.93,97.47 167.95,103.45 167.58,103.45 U50.7 ; 177.94,92.62 U59.8 ; 177.94,92.62 177.94,92.02 179.14,90.82 179.14,84.07 177.94,82.87 U60.8 177.94,80.46 176.66,79.19 176.66,71.19 177.94,69.92 ; U35.16 118.89,41.08 120.09,39.88 120.09,33.39 118.89,32.19 U36.16 118.89,29.78 122.05,26.62 C17.2 118.89,22.47 U37.16 118.89,18.48 120.09,17.28 120.09,10.79 118.89,9.59 U38.16 ; C8.1 43.69,55.63 47.76,51.56 U17.8 ; RV43.3 214.4,149.63 214.5,149.73 ; 143.01,65.48 143.01,66.09 141.74,67.36 141.74,73.71 143.01,74.98 U42.16 143.01,79.14 144.21,80.34 144.21,87.48 ; 143.01,65.48 U43.16 ; 143.01,65.48 141.74,64.21 141.74,56.06 143.01,54.79 U44.16 143.01,52.38 144.21,51.18 144.21,44.69 143.01,43.49 U45.16 ; 0.28,26.16 0.34,26.22 C4.1 C5.1 ; RV42.3 204.44,149.47 204.7,149.73 ; U16.11 51.64,53.92 51.64,53.55 48.96,50.87 48.96,50.35 U17.8 ; 204.7,149.73 214.5,149.73 ; 204.7,149.73 188.7,149.73 ; U17.8 U17.9 47.76,41.53 47.76,41.53 47.76,37.96 47.03,37.96 42.42,33.35 C9.2 43.06,31.47 46.56,27.98 ; 118.92,0.32 118.9,0.35 v1(118.9,5.18) ; 118.92,0.32 143.11,0.32 ; 195.23,0.32 150.57,0.32 ; 150.57,0.32 150.57,15.13 v1(151.84,16.4) ; 150.57,0.32 143.11,0.32 ; 286.67,8 286.58,7.91 R56.1 ; 286.67,8 286.67,15.31 ; 159.3,75.25 160.4,75.25 161.24,74.41 161.24,74.04 U53.12 ; 159.3,75.25 154.82,79.72 U53.8 ; 159.3,75.25 158.59,74.54 158.59,73.05 156.02,70.48 156.02,70.11 ; 47.76,27.98 46.56,27.98 ; 286.67,28.49 286.47,28.29 C30.2 ; 286.67,28.49 286.67,15.31 ; 22.62,48.44 21.39,47.21 21.39,40.73 22.62,39.49 U8.7 ; 22.62,48.44 21.35,49.71 21.35,57.32 20.08,58.59 U6.8 20.08,60.99 21.42,62.33 21.42,62.92 22.02,62.92 ; 22.62,48.44 U7.7 ; U57.7 154.69,28.76 153.43,30.03 153.43,31.83 150.9,34.36 ; 269.26,99.41 269.26,87.32 269.96,86.62 270.51,86.62 J14.1 270.51,81.82 266.83,78.14 C26.2 ; 269.26,99.41 C27.2 264.07,102.17 264.07,114.43 C28.2 ; v1(68.84,7.46) 68.86,7.49 v1(68.86,12.57) ; U4.14 31.58,73.67 31.58,74.03 30.74,74.87 29.74,74.87 29.04,74.17 29.04,73.28 28.23,72.47 27.92,72.47 26.36,70.91 26.36,70.54 U5.6 ; Q8.3 229.13,58.14 228.52,57.53 228.52,47.68 R50.1 ; 230.97,103.11 229.29,103.11 228.42,102.25 228.42,101.87 U70.14 ; 230.97,103.11 233.62,105.76 233.62,107.08 U69.29 ; R26.2 159.07,108.09 157.87,106.88 156.33,106.88 155.13,108.09 R24.2 ; U48.16 143.01,9.59 141.74,10.86 141.74,17.21 143.01,18.48 U47.16 143.01,23.29 147.96,28.23 C20.2 150.84,34.36 150.9,34.36 ; LS1.2 25.52,130.66 LS2.2 ; LS1.2 26.06,128.82 25.99,128.75 R7.2 ; 144.21,87.48 144.21,88.2 147.93,91.92 ; 144.21,87.48 U41.16 ; JP2.3 286.47,15.51 286.67,15.31 ; U15.8 47.76,73.93 46.51,75.19 46.51,81.47 47.75,82.71 U14.7 47.75,85.12 46.53,86.34 46.53,92.67 47.76,93.9 47.76,96.31 46.5,97.56 46.5,103.83 47.76,105.09 47.76,106.29 ; U61.8 177.94,69.92 ; 177.94,69.92 177.94,65.22 176.69,63.97 176.69,61 177.94,59.75 U62.8 177.94,57.35 176.65,56.06 176.65,46.52 175.27,45.14 U63.8 175.27,37.16 174.06,35.95 174.06,30.24 175.54,28.76 177.81,28.76 U64.7 177.81,26.36 179.08,25.09 179.08,18.46 177.8,17.18 U65.7 ; U24.1 90.38,72.73 ; U29.7 101.1,116.28 99.82,115 99.82,108.77 101.1,107.49 U30.7 102.3,106.29 102.3,106.67 103.15,107.52 104.12,107.52 104.98,106.66 104.98,106.29 106.18,106.29 ; 156.02,70.11 U54.8 ; 156.02,70.11 156.02,60.95 154.82,59.75 U55.8 ; 188.7,149.73 188.41,149.44 SW1.2 ; v1(130.35,121.25) 129.55,120.44 U39.4 128.34,117.48 128.34,117.85 127.51,118.69 123.96,118.69 123.13,117.85 123.13,117.48 U39.7 121.93,116.28 123.19,115.01 123.19,108.76 121.93,107.49 U40.7 ; 20.08,90.74 U4.8 U4.9 ; 21.42,70.54 19.34,72.62 19.34,72.77 19.34,72.77 20.89,72.77 21.42,73.3 21.42,73.67 U4.10 ; 21.42,70.54 21.42,63.52 22.02,62.92 ; 21.42,70.54 U5.7 ; U16.8 46.56,61.54 46.56,67.7 50.3,71.44 U15.7 ; 22.02,62.92 U5.8 ; U27.15 89.64,31.55 ; 0.28,116 0.38,115.89 16.75,115.89 C32.1 19.09,113.55 U1.7 22.61,112.35 21.33,111.07 21.33,105.29 22.62,103.99 U2.7 ; C19.2 147.93,91.92 ; U21.7 76.33,106.24 73.8,103.71 U22.8 73.8,93.9 75.07,92.63 75.07,86.39 73.8,85.12 U23.8 73.8,82.71 75.06,81.45 75.06,75.77 73.8,74.51 U24.8 73.8,71.53 75.07,70.26 75.07,64.01 73.8,62.74 U25.8 73.8,60.34 73.89,60.34 75.63,58.6 75.63,55.89 75.07,55.33 75.07,52.83 73.8,51.56 U26.8 ; U5.10 27.7,61.72 28.97,60.45 28.97,57.18 32.78,53.37 U6.14 ; 143.11,0.32 143,0.43 v1(143,5.3)
